# Allegro board BeagleBone_Green_v1.brd (continued)
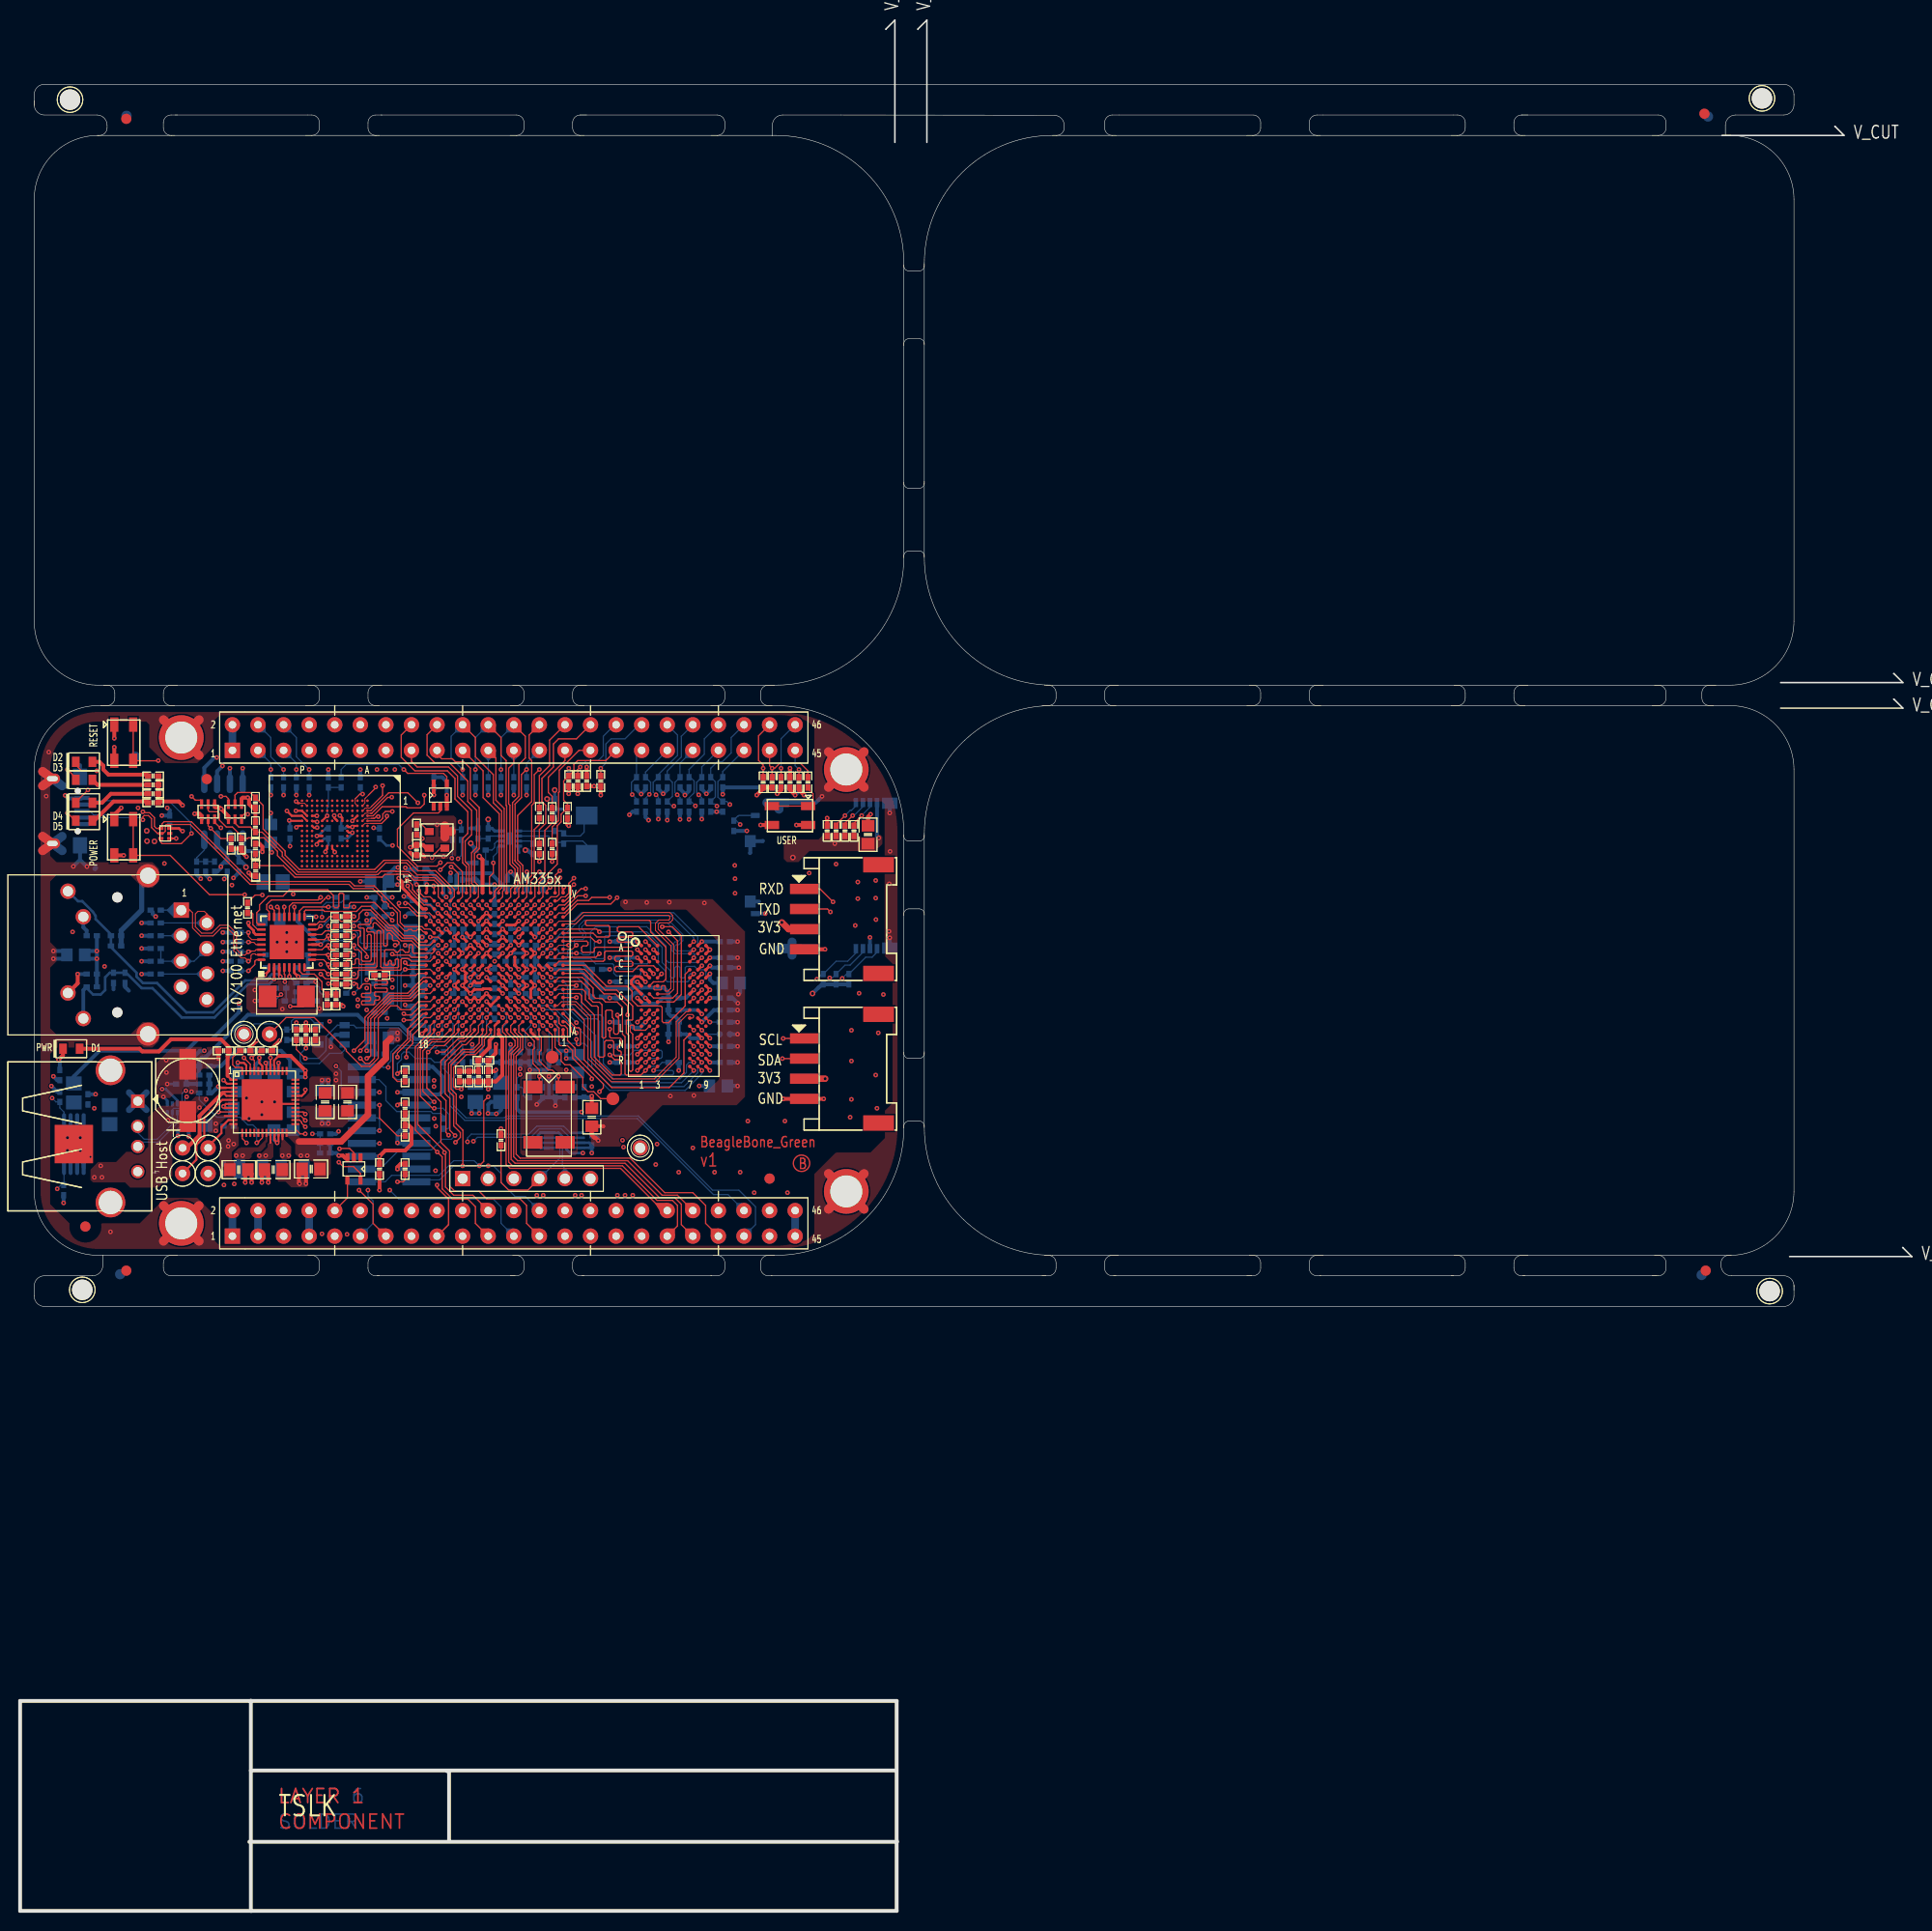
[diagram p0: board, top side]
## Placement (name value [footprint] x y rotation side) (continued)
U14  LAN8710A  [QFN32_5X5MM_EP3P3MM]  26.48 96.24 0 top
U15  SN74LVC2G241  [U_8_DCU]  53.98 76.56 90 bottom
U16  SN74LVC1G07DCK  [DCK5_2P15X1P4]  33.15 73.71 180 top
U17  SSDCI3128AF  [TDFN8_P5_2P0]  48.64 106.53 270 bottom
Y1  32.768KHz MC-306  [XTAL4_126-216SMD]  52.51 79.1 270 top
Y2  24MHz  [XTAL150SMD_125X196]  56.26 106.91 90 bottom
Y3  25.000MHz  [XTAL150SMD_125X196]  26.48 90.84 180 top
Y4  24.576MHZ  [OSC4_61X65LS_79X98SMD]  41.4 106.4 90 top

## Library data of the parts
C1 C2 C4 C7-C15 C39 C40 C55 C62 C77 C95 C96 C118 C122 C126 C133 C153 = CAP_10uF_Y5V_10V_10%_0805
C3 C20 C28-C31 C33 C35-C38 C41-C54 C56-C61 C63-C76 C78-C88 C92-C94 C97-C103 C105 C107-C117 C119-C121 C124 C127-C132 C135 C152 C154 C155 C158 C159 = CAP_0.1uF_X5R_6.3V_20% 0201
C16-C18 C125 = CAP_2.2uF_X5R_6.3V_10%_0402
C19 = CAP_470PF_X7R_25V_10%_0402
C21 C22 C25 C26 = CAP_18PF_COG_50V_5%_0402
C24 C89-C91 C104 C106 C134 = CAP_1.0UF_X5R_10V_10%_0402
C32 C123 = CAP_0.001_X7R_50V_5%_0402
C34 = CAP_100UF_TANT_6.3V_3528-21
C136 = 470pF/5%/50V/C0G/0603_0
C137-C140 C161-C166 = CAP_0402_100pF_COG_50V
C141 = CAP_0402_0.1uf_X5R_10V
C142 C143 = CAP_30PF_COG_50V_5%_0402
D1-D5 = LED_LTST-C150GKT_0
FB1-FB4 FB7 FB8 = FER_180_200_0
J1 = HEADER 6: User Part Number: ***
J4 J5 = HEADER 4
L1-L3 = IND_2.2uH_2.6A_10%_SMD
MTG1-MTG4 = MHOLE
P2 = HDR_10x2_CJTAG_0
P3 = CONN_54819-0578_2
P4 = MINI-USB-AB-SOCKET
P5 = CONN_RJ45_MAG_WE_0
P8 P9 = HDR_46_F_2_0.1_0.1
P10 = microSD_CONN_8: User Part Number: X; Tolerance: X
Q1 Q2 = RN1907
R1 R55-R70 R75-R95 R165 = RES_100K_1/16W_1%_0402
R3 R4 R119 R168 = RES_1.5K_1/16W_5%_0402
R5-R9 R23-R26 R50 R51 R112-R118 R159-R164 R169 R170 = RES_4.75K_1/16W_1%_0402
R10 R12 R71-R74 R130 R132 R171-R175 = RES_470_1/10W_5%_0402
R11 = RES_470_1/10W_5%_0402: signal model: 33OHMRESISTOR1_16W5_0402_SM_735_33
R14 = RES_10K_1/16W_1%_0402: signal model: 33OHMRESISTOR1_16W5_0402_SM_735_33
R17 = RES_1M_1/16W_1%_0402: signal model: 33OHMRESISTOR1_16W5_0402_SM_735_33
R18 R47 = RES_33_0402: signal model: 33OHMRESISTOR1_16W5_0402_SM_735_33
R19 R27 R29 R30 R140 R142 R156 = RES_0_1/16W_1%_0402
R20 = RES_0_1/16W_1%_0402: signal model: 33OHMRESISTOR1_16W5_0402_SM_735_33
R22 R120-R123 = RES_4.7K_0402
R28 R45 R46 R48 R167 = RES_33_0402
R49 = RES_100K_1/16W_1%_0402: signal model: 33OHMRESISTOR1_16W5_0402_SM_735_33
R52-R54 R96-R98 R100-R111 R135 R137 R143 R145 R150-R155 R157 = RES_10K_1/16W_1%_0402
R99 = Res
R124-R126 R129 R134 R138 = 100-1/10W-1%-0603_4
R127 R128 R131 R133 R139 = RES_100_1/10W_5%_0402
R136 = RES_0.1_0805
R141 = RES_1M_1/16W_1%_0402
R144 = RES_12.1K_1/16W_1%_0402
S1 S3 = SW_KT11P2JM_2
S2 = SW_KT11P2JM_1
TP1-TP9 = TESTPT1
U2 = PWR_TPS65217_2
U3 = IC_SN74LVC1G06DCK_0
U4 = PWR_TLV70233DBV_0: Tolerance: X; User Part Number: X
U5 = IC_AM335X_ZCZ
U7 = MEM_24LC32_SOT23-5
U8 = TPS2061_1: User Part Number: X; Tolerance: X
U9 U10 = PROT_TPD4S012
U12 = MT47H256M8_7
U13 = MEM_MNAND_2GB
U14 = LAN8710 QFN32_1
U15 = IC_SN74LVC2G241_1
U16 = IC_SN74LVC1G07DCK
U17 = SSDCI3128AF
Y1 = CRYS_32_768KHz_SMD32_1
Y2 = CRYS_24MHz_SCC_0
Y3 = Suntsu ITEMP 25MHz _0.005% 20pf
Y4 = OSC_12MHz_1.3V: Tolerance: TOL*; User Part Number: P/N*

## Footprints (pads in the part's own frame, mm; a bottom-side part is the same pattern mirrored in y, then rotated)
4P-SMD-2_0-90D
  rect 1.524x3.048 smd: (-5.4,7.4) (5.4,7.4)
  rect 1.016x2.794 smd: 1(-3,0) 2(-1,0) 3(1,0) 4(3,0)
5P-USB-B
  round 0.61 hole 0.61 unplated: (-2,-0.65) (2,-0.65)
  rect 0.406x1.524 smd: 1(-1.3,-0.25) 2(-0.65,-0.25) 3(0,-0.25) 4(0.65,-0.25) 5(1.3,-0.25)
  rect 1.626x1.397 smd: 6(3.4,-0.427) 7(-3.4,-0.427)
  oval 1.016x1.524 hole 0.508x1.067: 8(-3.22,-3.175) 9(3.22,-3.175)
402
  rect 0.635x0.508 smd: 1(-0.508,0) 2(0.508,0)
0402
  rect 0.635x0.508 smd: 1(-0.508,0) 2(0.508,0)
805
  rect 1.143x1.27 smd: 1(-0.889,0) 2(0.889,0)
2520
  rect 1.143x1.905 smd: 1(-1.143,0) 2(1.143,0)
AM33XX_15X15
  round 0.356 smd: A1(-6.8,6.8) A2(-6,6.8) A3(-5.2,6.8) A4(-4.4,6.8) A5(-3.6,6.8) A6(-2.8,6.8) A7(-2,6.8) A8(-1.2,6.8) A9(-0.4,6.8) A10(0.4,6.8) A11(1.2,6.8) A12(2,6.8) A13(2.8,6.8) A14(3.6,6.8) A15(4.4,6.8) A16(5.2,6.8) A17(6,6.8) A18(6.8,6.8) B1(-6.8,6) B2(-6,6) B3(-5.2,6) B4(-4.4,6) B5(-3.6,6) B6(-2.8,6) B7(-2,6) B8(-1.2,6) B9(-0.4,6) B10(0.4,6) B11(1.2,6) B12(2,6) B13(2.8,6) B14(3.6,6) B15(4.4,6) B16(5.2,6) B17(6,6) B18(6.8,6) C1(-6.8,5.2) C2(-6,5.2) C3(-5.2,5.2) C4(-4.4,5.2) C5(-3.6,5.2) C6(-2.8,5.2) C7(-2,5.2) C8(-1.2,5.2) C9(-0.4,5.2) C10(0.4,5.2) C11(1.2,5.2) C12(2,5.2) C13(2.8,5.2) C14(3.6,5.2) C15(4.4,5.2) C16(5.2,5.2) C17(6,5.2) C18(6.8,5.2) D1(-6.8,4.4) D2(-6,4.4) D3(-5.2,4.4) D4(-4.4,4.4) D5(-3.6,4.4) D6(-2.8,4.4) D7(-2,4.4) D8(-1.2,4.4) D9(-0.4,4.4) D10(0.4,4.4) D11(1.2,4.4) D12(2,4.4) D13(2.8,4.4) D14(3.6,4.4) D15(4.4,4.4) D16(5.2,4.4) D17(6,4.4) D18(6.8,4.4) E1(-6.8,3.6) E2(-6,3.6) E3(-5.2,3.6) E4(-4.4,3.6) E5(-3.6,3.6) E6(-2.8,3.6) E7(-2,3.6) E8(-1.2,3.6) E9(-0.4,3.6) E10(0.4,3.6) E11(1.2,3.6) E12(2,3.6) E13(2.8,3.6) E14(3.6,3.6) E15(4.4,3.6) E16(5.2,3.6) E17(6,3.6) E18(6.8,3.6) F1(-6.8,2.8) F2(-6,2.8) F3(-5.2,2.8) F4(-4.4,2.8) F5(-3.6,2.8) F6(-2.8,2.8) F7(-2,2.8) F8(-1.2,2.8) F9(-0.4,2.8) F10(0.4,2.8) F11(1.2,2.8) F12(2,2.8) F13(2.8,2.8) F14(3.6,2.8) F15(4.4,2.8) F16(5.2,2.8) F17(6,2.8) F18(6.8,2.8) G1(-6.8,2) G2(-6,2) G3(-5.2,2) G4(-4.4,2) G5(-3.6,2) G6(-2.8,2) G7(-2,2) G8(-1.2,2) G9(-0.4,2) G10(0.4,2) G11(1.2,2) G12(2,2) G13(2.8,2) G14(3.6,2) G15(4.4,2) G16(5.2,2) G17(6,2) G18(6.8,2) H1(-6.8,1.2) H2(-6,1.2) H3(-5.2,1.2) H4(-4.4,1.2) H5(-3.6,1.2) H6(-2.8,1.2) H7(-2,1.2) H8(-1.2,1.2) H9(-0.4,1.2) H10(0.4,1.2) H11(1.2,1.2) H12(2,1.2) H13(2.8,1.2) H14(3.6,1.2) H15(4.4,1.2) H16(5.2,1.2) H17(6,1.2) H18(6.8,1.2) J1(-6.8,0.4) J2(-6,0.4) J3(-5.2,0.4) J4(-4.4,0.4) J5(-3.6,0.4) J6(-2.8,0.4) J7(-2,0.4) J8(-1.2,0.4) J9(-0.4,0.4) J10(0.4,0.4) J11(1.2,0.4) J12(2,0.4) J13(2.8,0.4) J14(3.6,0.4) J15(4.4,0.4) J16(5.2,0.4) J17(6,0.4) J18(6.8,0.4) K1(-6.8,-0.4) K2(-6,-0.4) K3(-5.2,-0.4) K4(-4.4,-0.4) K5(-3.6,-0.4) K6(-2.8,-0.4) K7(-2,-0.4) K8(-1.2,-0.4) K9(-0.4,-0.4) K10(0.4,-0.4) K11(1.2,-0.4) K12(2,-0.4) K13(2.8,-0.4) K14(3.6,-0.4) K15(4.4,-0.4) K16(5.2,-0.4) K17(6,-0.4) K18(6.8,-0.4) L1(-6.8,-1.2) L2(-6,-1.2) L3(-5.2,-1.2) L4(-4.4,-1.2) L5(-3.6,-1.2) L6(-2.8,-1.2) L7(-2,-1.2) L8(-1.2,-1.2) L9(-0.4,-1.2) L10(0.4,-1.2) L11(1.2,-1.2) L12(2,-1.2) L13(2.8,-1.2) L14(3.6,-1.2) L15(4.4,-1.2) L16(5.2,-1.2) L17(6,-1.2) L18(6.8,-1.2) M1(-6.8,-2) M2(-6,-2) M3(-5.2,-2) M4(-4.4,-2) M5(-3.6,-2) M6(-2.8,-2) M7(-2,-2) M8(-1.2,-2) M9(-0.4,-2) M10(0.4,-2) M11(1.2,-2) M12(2,-2) M13(2.8,-2) M14(3.6,-2) M15(4.4,-2) M16(5.2,-2) M17(6,-2) M18(6.8,-2) N1(-6.8,-2.8) N2(-6,-2.8) N3(-5.2,-2.8) N4(-4.4,-2.8) N5(-3.6,-2.8) N6(-2.8,-2.8) N7(-2,-2.8) N8(-1.2,-2.8) N9(-0.4,-2.8) N10(0.4,-2.8) N11(1.2,-2.8) N12(2,-2.8) N13(2.8,-2.8) N14(3.6,-2.8) N15(4.4,-2.8) N16(5.2,-2.8) N17(6,-2.8) N18(6.8,-2.8) P1(-6.8,-3.6) P2(-6,-3.6) P3(-5.2,-3.6) P4(-4.4,-3.6) P5(-3.6,-3.6) P6(-2.8,-3.6) P7(-2,-3.6) P8(-1.2,-3.6) P9(-0.4,-3.6) P10(0.4,-3.6) P11(1.2,-3.6) P12(2,-3.6) P13(2.8,-3.6) P14(3.6,-3.6) P15(4.4,-3.6) P16(5.2,-3.6) P17(6,-3.6) P18(6.8,-3.6) R1(-6.8,-4.4) R2(-6,-4.4) R3(-5.2,-4.4) R4(-4.4,-4.4) R5(-3.6,-4.4) R6(-2.8,-4.4) R7(-2,-4.4) R8(-1.2,-4.4) R9(-0.4,-4.4) R10(0.4,-4.4) R11(1.2,-4.4) R12(2,-4.4) R13(2.8,-4.4) R14(3.6,-4.4) R15(4.4,-4.4) R16(5.2,-4.4) R17(6,-4.4) R18(6.8,-4.4) T1(-6.8,-5.2) T2(-6,-5.2) T3(-5.2,-5.2) T4(-4.4,-5.2) T5(-3.6,-5.2) T6(-2.8,-5.2) T7(-2,-5.2) T8(-1.2,-5.2) T9(-0.4,-5.2) T10(0.4,-5.2) T11(1.2,-5.2) T12(2,-5.2) T13(2.8,-5.2) T14(3.6,-5.2) T15(4.4,-5.2) T16(5.2,-5.2) T17(6,-5.2) T18(6.8,-5.2) U1(-6.8,-6) U2(-6,-6) U3(-5.2,-6) U4(-4.4,-6) U5(-3.6,-6) U6(-2.8,-6) U7(-2,-6) U8(-1.2,-6) U9(-0.4,-6) U10(0.4,-6) U11(1.2,-6) U12(2,-6) U13(2.8,-6) U14(3.6,-6) U15(4.4,-6) U16(5.2,-6) U17(6,-6) U18(6.8,-6) V1(-6.8,-6.8) V2(-6,-6.8) V3(-5.2,-6.8) V4(-4.4,-6.8) V5(-3.6,-6.8) V6(-2.8,-6.8) V7(-2,-6.8) V8(-1.2,-6.8) V9(-0.4,-6.8) V10(0.4,-6.8) V11(1.2,-6.8) V12(2,-6.8) V13(2.8,-6.8) V14(3.6,-6.8) V15(4.4,-6.8) V16(5.2,-6.8) V17(6,-6.8) V18(6.8,-6.8)
BGA96_T9_P8_9X14
  round 0.356 smd: A1(-3.2,6.001) A2(-2.4,6.001) A3(-1.6,6.001) A7(1.6,6.001) A8(2.4,6.001) A9(3.2,6.001) B1(-3.2,5.201) B2(-2.4,5.201) B3(-1.6,5.201) B7(1.6,5.201) B8(2.4,5.201) B9(3.2,5.201) C1(-3.2,4.401) C2(-2.4,4.401) C3(-1.6,4.401) C7(1.6,4.401) C8(2.4,4.401) C9(3.2,4.401) D1(-3.2,3.6) D2(-2.4,3.6) D3(-1.6,3.6) D7(1.6,3.6) D8(2.4,3.6) D9(3.2,3.6) E1(-3.2,2.8) E2(-2.4,2.8) E3(-1.6,2.8) E7(1.6,2.8) E8(2.4,2.8) E9(3.2,2.8) F1(-3.2,2) F2(-2.4,2) F3(-1.6,2) F7(1.6,2) F8(2.4,2) F9(3.2,2) G1(-3.2,1.2) G2(-2.4,1.2) G3(-1.6,1.2) G7(1.6,1.2) G8(2.4,1.2) G9(3.2,1.2) H1(-3.2,0.4) H2(-2.4,0.4) H3(-1.6,0.4) H7(1.6,0.4) H8(2.4,0.4) H9(3.2,0.4) J1(-3.2,-0.4) J2(-2.4,-0.4) J3(-1.6,-0.4) J7(1.6,-0.4) J8(2.4,-0.4) J9(3.2,-0.4) K1(-3.2,-1.2) K2(-2.4,-1.2) K3(-1.6,-1.2) K7(1.6,-1.2) K8(2.4,-1.2) K9(3.2,-1.2) L1(-3.2,-2) L2(-2.4,-2) L3(-1.6,-2) L7(1.6,-2) L8(2.4,-2) L9(3.2,-2) M1(-3.2,-2.8) M2(-2.4,-2.8) M3(-1.6,-2.8) M7(1.6,-2.8) M8(2.4,-2.8) M9(3.2,-2.8) N1(-3.2,-3.6) N2(-2.4,-3.6) N3(-1.6,-3.6) N7(1.6,-3.6) N8(2.4,-3.6) N9(3.2,-3.6) P1(-3.2,-4.401) P2(-2.4,-4.401) P3(-1.6,-4.401) P7(1.6,-4.401) P8(2.4,-4.401) P9(3.2,-4.401) R1(-3.2,-5.201) R2(-2.4,-5.201) R3(-1.6,-5.201) R7(1.6,-5.201) R8(2.4,-5.201) R9(3.2,-5.201) T1(-3.2,-6.001) T2(-2.4,-6.001) T3(-1.6,-6.001) T7(1.6,-6.001) T8(2.4,-6.001) T9(3.2,-6.001)
BGA153_P14_P5_11P5X13
  round 0.254 smd: A1(-3.25,3.25) A2(-2.75,3.25) A3(-2.25,3.25) A4(-1.75,3.25) A5(-1.25,3.25) A6(-0.75,3.25) A7(-0.25,3.25) A8(0.25,3.25) A9(0.75,3.25) A10(1.25,3.25) A11(1.75,3.25) A12(2.25,3.25) A13(2.75,3.25) A14(3.25,3.25) B1(-3.25,2.75) B2(-2.75,2.75) B3(-2.25,2.75) B4(-1.75,2.75) B5(-1.25,2.75) B6(-0.75,2.75) B7(-0.25,2.75) B8(0.25,2.75) B9(0.75,2.75) B10(1.25,2.75) B11(1.75,2.75) B12(2.25,2.75) B13(2.75,2.75) B14(3.25,2.75) C1(-3.25,2.25) C2(-2.75,2.25) C3(-2.25,2.25) C4(-1.75,2.25) C5(-1.25,2.25) C6(-0.75,2.25) C7(-0.25,2.25) C8(0.25,2.25) C9(0.75,2.25) C10(1.25,2.25) C11(1.75,2.25) C12(2.25,2.25) C13(2.75,2.25) C14(3.25,2.25) D1(-3.25,1.75) D2(-2.75,1.75) D3(-2.25,1.75) D4(-1.75,1.75) D12(2.25,1.75) D13(2.75,1.75) D14(3.25,1.75) E1(-3.25,1.25) E2(-2.75,1.25) E3(-2.25,1.25) E5(-1.25,1.25) E6(-0.75,1.25) E7(-0.25,1.25) E8(0.25,1.25) E9(0.75,1.25) E10(1.25,1.25) E12(2.25,1.25) E13(2.75,1.25) E14(3.25,1.25) F1(-3.25,0.75) F2(-2.75,0.75) F3(-2.25,0.75) F5(-1.25,0.75) F10(1.25,0.75) F12(2.25,0.75) F13(2.75,0.75) F14(3.25,0.75) G1(-3.25,0.25) G2(-2.75,0.25) G3(-2.25,0.25) G5(-1.25,0.25) G10(1.25,0.25) G12(2.25,0.25) G13(2.75,0.25) G14(3.25,0.25) H1(-3.25,-0.25) H2(-2.75,-0.25) H3(-2.25,-0.25) H5(-1.25,-0.25) H10(1.25,-0.25) H12(2.25,-0.25) H13(2.75,-0.25) H14(3.25,-0.25) J1(-3.25,-0.75) J2(-2.75,-0.75) J3(-2.25,-0.75) J5(-1.25,-0.75) J10(1.25,-0.75) J12(2.25,-0.75) J13(2.75,-0.75) J14(3.25,-0.75) K1(-3.25,-1.25) K2(-2.75,-1.25) K3(-2.25,-1.25) K5(-1.25,-1.25) K6(-0.75,-1.25) K7(-0.25,-1.25) K8(0.25,-1.25) K9(0.75,-1.25) K10(1.25,-1.25) K12(2.25,-1.25) K13(2.75,-1.25) K14(3.25,-1.25) L1(-3.25,-1.75) L2(-2.75,-1.75) L3(-2.25,-1.75) L12(2.25,-1.75) L13(2.75,-1.75) L14(3.25,-1.75) M1(-3.25,-2.25) M2(-2.75,-2.25) M3(-2.25,-2.25) M4(-1.75,-2.25) M5(-1.25,-2.25) M6(-0.75,-2.25) M7(-0.25,-2.25) M8(0.25,-2.25) M9(0.75,-2.25) M10(1.25,-2.25) M11(1.75,-2.25) M12(2.25,-2.25) M13(2.75,-2.25) M14(3.25,-2.25) N1(-3.25,-2.75) N2(-2.75,-2.75) N3(-2.25,-2.75) N4(-1.75,-2.75) N5(-1.25,-2.75) N6(-0.75,-2.75) N7(-0.25,-2.75) N8(0.25,-2.75) N9(0.75,-2.75) N10(1.25,-2.75) N11(1.75,-2.75) N12(2.25,-2.75) N13(2.75,-2.75) N14(3.25,-2.75) P1(-3.25,-3.25) P2(-2.75,-3.25) P3(-2.25,-3.25) P4(-1.75,-3.25) P5(-1.25,-3.25) P6(-0.75,-3.25) P7(-0.25,-3.25) P8(0.25,-3.25) P9(0.75,-3.25) P10(1.25,-3.25) P11(1.75,-3.25) P12(2.25,-3.25) P13(2.75,-3.25) P14(3.25,-3.25)
DCK5_2P15X1P4
  rect 0.4x0.9 smd: 1(-0.65,-1.1) 2(0,-1.1) 3(0.65,-1.1) 4(0.65,1.1) 5(-0.65,1.1)
DGN-16X60
  oval 0.406x1.524 smd: 1(-0.975,-2.311) 2(-0.325,-2.311) 3(0.325,-2.311) 4(0.975,-2.311) 5(0.975,2.311) 6(0.325,2.311) 7(-0.325,2.311) 8(-0.975,2.311)
  rect 2.032x2.032 smd: 9(0,0)
HEADER10X2_SMD
  rect 0.711x2.794 smd: 1(-5.715,-2.705) 2(-5.715,2.705) 3(-4.445,-2.705) 4(-4.445,2.705) 5(-3.175,-2.705) 6(-3.175,2.705) 7(-1.905,-2.705) 8(-1.905,2.705) 9(-0.635,-2.705) 10(-0.635,2.705) 11(0.635,-2.705) 12(0.635,2.705) 13(1.905,-2.705) 14(1.905,2.705) 15(3.175,-2.705) 16(3.175,2.705) 17(4.445,-2.705) 18(4.445,2.705) 19(5.715,-2.705) 20(5.715,2.705)
HEADER23X2
  rect 1.524x1.524 hole 0.762: 1(0,0)
  round 1.524 hole 0.762: 2(0,2.54) 3(2.54,0) 4(2.54,2.54) 5(5.08,0) 6(5.08,2.54) 7(7.62,0) 8(7.62,2.54) 9(10.16,0) 10(10.16,2.54) 11(12.7,0) 12(12.7,2.54) 13(15.24,0) 14(15.24,2.54) 15(17.78,0) 16(17.78,2.54) 17(20.32,0) 18(20.32,2.54) 19(22.86,0) 20(22.86,2.54) 21(25.4,0) 22(25.4,2.54) 23(27.94,0) 24(27.94,2.54) 25(30.48,0) 26(30.48,2.54) 27(33.02,0) 28(33.02,2.54) 29(35.56,0) 30(35.56,2.54) 31(38.1,0) 32(38.1,2.54) 33(40.64,0) 34(40.64,2.54) 35(43.18,0) 36(43.18,2.54) 37(45.72,0) 38(45.72,2.54) 39(48.26,0) 40(48.26,2.54) 41(50.8,0) 42(50.8,2.54) 43(53.34,0) 44(53.34,2.54) 45(55.88,0) 46(55.88,2.54)
LED_0603
  rect 0.762x1.016 smd: 1(-0.826,0) 2(0.826,0)
MTGH200C125D_PL
  round 4.445 hole 3.175: 1(0,0)
OSC4_61X65LS_79X98SMD
  rect 0.711x0.889 smd: 1(-0.826,-0.775) 2(0.826,-0.775) 3(0.826,0.775) 4(-0.826,0.775)
QFN32_5X5MM_EP3P3MM
  oval 0.254x0.838 smd: 1(-1.751,-2.515) 8(1.751,-2.515) 17(1.751,2.515) 24(-1.751,2.515)
  rect 0.254x0.838 smd: 2(-1.251,-2.515) 3(-0.751,-2.515) 4(-0.25,-2.515) 5(0.25,-2.515) 6(0.751,-2.515) 7(1.251,-2.515) 18(1.251,2.515) 19(0.751,2.515) 20(0.25,2.515) 21(-0.25,2.515) 22(-0.751,2.515) 23(-1.251,2.515)
  oval 0.838x0.254 smd: 9(2.515,-1.751) 16(2.515,1.751) 25(-2.515,1.751) 32(-2.515,-1.751)
  rect 0.838x0.254 smd: 10(2.515,-1.251) 11(2.515,-0.751) 12(2.515,-0.25) 13(2.515,0.25) 14(2.515,0.751) 15(2.515,1.251) 26(-2.515,1.251) 27(-2.515,0.751) 28(-2.515,0.25) 29(-2.515,-0.25) 30(-2.515,-0.751) 31(-2.515,-1.251)
  rect 3.404x3.404 smd: 33(0,0)
RD205SMD_250D
  rect 3.048x1.651 smd: 1(-2.603,0) 2(2.603,0)
RJ45-7499010211A
  round 1.016 hole 3.251 unplated: (-1.27,-6.35) (10.16,-6.35)
  rect 1.524x1.524 hole 1.016: 1(0,0)
  round 1.524 hole 1.016: 2(1.27,2.54) 3(2.54,0) 4(3.81,2.54) 5(5.08,0) 6(6.35,2.54) 7(7.62,0) 8(8.89,2.54) 9(-1.88,-11.252) 10(0.66,-9.728) 11(8.23,-11.252) 12(10.77,-9.728)
  round 2.286 hole 1.6: 13(-3.429,-3.302) 14(12.319,-3.302)
SD-MICRO-SCHA5B0300
  rect 0.914x0.457 smd: 1(-7.257,0) 2(-7.257,-0.7) 3(-7.257,-1.4) 4(-7.257,-2.1) 5(7.257,-2.1) 6(7.257,-1.4) 7(7.257,-0.7) 8(7.257,0)
  rect 0.508x0.889 smd: 9(3.775,9.989) 10(-5.975,9.989)
  rect 0.889x2.007 smd: 11(-7.25,7.635) 12(7.25,6.335)
  rect 1.118x1.524 smd: 13(-7.196,-3.365) 14(7.196,-3.365)
  rect 1.194x1.092 smd: 15(-3.425,10.488) 16(2.575,10.488)
SIP6
  rect 1.524x1.524 hole 1.016: 1(0,0)
  round 1.524 hole 1.016: 2(0,-2.54) 3(0,-5.08) 4(0,-7.62) 5(0,-10.16) 6(0,-12.7)
SM-7351-IND-0805
  rect 1.397x1.549 smd: 1(-0.95,0) 2(0.95,0)
SM-7351-RES-0402
  round 0.635 smd: 1(-0.508,0) 2(0.508,0)
SMINI6-F3-B
  rect 0.305x0.95 smd: 1(0.65,0.75) 2(0,0.75) 3(-0.65,0.75) 4(-0.65,-0.75) 5(0,-0.75) 6(0.65,-0.75)
SO8-25X75
  oval 0.635x1.905 smd: 1(-1.905,-2.794) 2(-0.635,-2.794) 3(0.635,-2.794) 4(1.905,-2.794) 5(1.905,2.794) 6(0.635,2.794) 7(-0.635,2.794) 8(-1.905,2.794)
SOT23-5
  rect 0.635x1.016 smd: 1(-0.953,-1.295) 2(0,-1.295) 3(0.953,-1.295) 4(0.953,1.295) 5(-0.953,1.295)
SW_4P
  rect 1.422x0.813 smd: 1(-1.8,-0.94) 2(-1.8,0.94) 3(1.8,-0.94) 4(1.8,0.94)
TDFN8_P5_2P0
  rect 1.219x0.61 smd: (0,0)
  rect 0.305x0.711 smd: 1(-0.75,-0.85) 2(-0.25,-0.85) 3(0.25,-0.85) 4(0.75,-0.85) 5(0.75,0.85) 6(0.25,0.85) 7(-0.25,0.85) 8(-0.75,0.85)
TP1-8040
  round 1.524 hole 1.016: 1(0,0)
TP60C33D
  round 1.524 hole 0.762: 1(0,0)
TP60C_SMD
  round 1.27 smd: 1(0,0)
U_6_DRY
  rect 0.305x0.508 smd: 1(-0.5,-0.439) 2(0,-0.439) 3(0.5,-0.439) 4(0.5,0.439) 5(0,0.439) 6(-0.5,0.439)
U_8_DCU
  rect 0.254x1.27 smd: 1(-0.749,-1.473) 2(-0.249,-1.473) 3(0.249,-1.473) 4(0.749,-1.473) 5(0.749,1.473) 6(0.249,1.473) 7(-0.249,1.473) 8(-0.749,1.473)
U_48_RSL
  rect 0.8x0.2 smd: 1(-3.075,2.2) 2(-3.075,1.8) 3(-3.075,1.4) 4(-3.075,1) 5(-3.075,0.6) 6(-3.075,0.2) 7(-3.075,-0.2) 8(-3.075,-0.6) 9(-3.075,-1) 10(-3.075,-1.4) 11(-3.075,-1.8) 12(-3.075,-2.2) 25(3.075,-2.2) 26(3.075,-1.8) 27(3.075,-1.4) 28(3.075,-1) 29(3.075,-0.6) 30(3.075,-0.2) 31(3.075,0.2) 32(3.075,0.6) 33(3.075,1) 34(3.075,1.4) 35(3.075,1.8) 36(3.075,2.2)
  rect 0.2x0.8 smd: 13(-2.2,-3.075) 14(-1.8,-3.075) 15(-1.4,-3.075) 16(-1,-3.075) 17(-0.6,-3.075) 18(-0.2,-3.075) 19(0.2,-3.075) 20(0.6,-3.075) 21(1,-3.075) 22(1.4,-3.075) 23(1.8,-3.075) 24(2.2,-3.075) 37(2.2,3.075) 38(1.8,3.075) 39(1.4,3.075) 40(1,3.075) 41(0.6,3.075) 42(0.2,3.075) 43(-0.2,3.075) 44(-0.6,3.075) 45(-1,3.075) 46(-1.4,3.075) 47(-1.8,3.075) 48(-2.2,3.075)
  rect 4.05x4.05 smd: 49(-0.225,0.225)
unnamed
  round 2.032 hole 2.032 unplated: (0,0)
unnamed#3
  round 1.016 smd: 1(0,0)
USB-003A-4P-90D
  rect 1.321x1.321 hole 0.914: 1(-3.5,2.71)
  round 1.321 hole 0.914: 2(-1,2.71) 3(1,2.71) 4(3.5,2.71)
  round 2.946 hole 2.337: 5(-6.57,0) 6(6.57,0)
XTAL4_126-216SMD
  rect 1.27x1.905 smd: 1(-2.748,-1.6) 2(2.751,-1.6) 3(2.751,1.6) 4(-2.748,1.6)
XTAL150SMD_125X196
  rect 1.778x2.159 smd: 1(-1.9,0) 2(1.9,0)

## Nets
DGND: C1.1 C2.1 C3.1 C4.1 C7.1 C8.1 C9.1 C10.1 C11.1 C12.1 C13.1 C14.1 C15.1 C16.2 C17.2 C18.2 C19.2 C20.2 C24.2 C28.2 C29.2 C30.2 C34.2 C35.2 C36.2 C37.2 C38.2 C39.1 C40.1 C41.2 C42.2 C43.2 C44.2 C45.2 C46.2 C47.2 C48.2 C49.2 C50.2 C51.2 C52.2 C53.2 C54.2 C55.1 C56.1 C57.1 C58.2 C59.2 C60.1 C61.1 C62.1 C63.2 C64.2 C65.2 C66.2 C67.2 C68.1 C69.1 C70.1 C71.1 C72.1 C73.1 C74.1 C75.1 C76.1 C77.2 C78.2 C79.2 C80.2 C81.2 C82.2 C83.2 C84.2 C85.2 C86.2 C87.2 C88.2 C89.2 C90.2 C91.2 C92.2 C94.2 C95.1 C96.1 C97.2 C98.2 C99.2 C100.2 C101.2 C102.2 C103.2 C104.2 C105.2 C106.2 C107.2 C108.2 C109.2 C110.2 C111.2 C112.2 C113.2 C114.2 C115.2 C116.2 C117.2 C118.1 C119.2 C120.2 C121.2 C122.1 C123.2 C124.2 C125.2 C126.1 C127.2 C128.2 C129.2 C130.2 C131.2 C132.2 C133.1 C134.2 C135.2 C136.2 C137.2 C138.2 C139.2 C140.2 C141.2 C142.2 C143.2 C152.2 C153.2 C154.2 C155.1 C158.2 C159.2 C161.2 C162.1 FB3.2 J1.1 J4.4 J5.4 P2.4(TDIS) P2.8(GND1) P2.10(GND2) P2.12(GND3) P2.16(GND4) P2.20(GND5) P3.4(P4) P4.5(G1) P5.8(GND) P8.1 P8.2(26) P9.1 P9.2(26) P9.43(22) P9.44(47) P9.45(23) P9.46(48) P10.6(VSS) P10.9(GND) Q1.1(4) Q1.4 Q2.1(4) Q2.4 R10.2 R12.1 R22.1 R25.2 R29.1 R30.1 R49.1 R53.2 R54.1 R76.2 R77.2 R78.2 R79.2 R80.2 R81.2 R82.2 R83.2 R84.2 R85.2 R86.2 R87.2 R88.2 R89.2 R90.2 R91.2 R92.2 R93.2 R94.2 R95.2 R96.1 R99.1 R100.2 R115.2 R116.2 R117.2 R118.2 R130.1 R132.1 R135.2 R136.1 R144.2 R145.2 R164.2 R165.2 R170.2 S1.1(A1) S1.3(A2) S2.2(B1) S2.4(B2) S3.1(A1) S3.3(A2) TP1.1(TP) TP8.1(TP) U2.30(PGND) U2.41(AGND) U2.49(PPAD) U3.3(GND) U4.5(GND1) U4.6(GND3) U4.7(GND2) U4.8(GND4) U5.A1(VSS1) U5.A18(VSS2) U5.F8(VSS3) U5.G8(VSS4) U5.G9(VSS5) U5.G11(VSS6) U5.G12(VSS7) U5.H6(VSS8) U5.H7(VSS9) U5.H8(VSS10) U5.H9(VSS11) U5.H10(VSS12) U5.H12(VSS13) U5.J6(VSS14) U5.J7(VSS15) U5.J8(VSS16) U5.J9(VSS17) U5.J10(VSS18) U5.J11(VSS19) U5.K7(VSS20) U5.K9(VSS21) U5.K10(VSS22) U5.K11(VSS23) U5.L10(VSS24) U5.L11(VSS25) U5.L12(VSS26) U5.L13(VSS27) U5.M6(VSS28) U5.M7(VSS29) U5.M8(VSS30) U5.M9(VSS31) U5.M10(VSS32) U5.M12(VSS33) U5.M14(VSSA_USB2) U5.N7(VSS34) U5.N10(VSS35) U5.N11(VSS36) U5.N14(VSSA_USB1) U5.V1(VSS37) U5.V18(VSS38) U7.2(VSS) U8.1(GND) U8.9(PAD) U9.4(GND) U10.4(GND) U12.A9(VSS1) U12.B1(VSSQ1) U12.B3(VSS2) U12.B9(VSSQ2) U12.D1(VSSQ3) U12.D8(VSSQ4) U12.E1(VSS3) U12.E2(VSSQ5) U12.E8(VSSQ6) U12.F9(VSSQ7) U12.G1(VSSQ8) U12.G8(VSS4) U12.G9(VSSQ9) U12.J2(VSS5) U12.J8(VSS6) U12.M1(VSS7) U12.M9(VSS8) U12.P1(VSS9) U12.P9(VSS10) U12.T1(VSS11) U12.T9(VSS12) U13.C4(VSSQ4) U13.E7(VSS2) U13.G5(VSS1) U13.H10(VSS3) U13.K8(VSS4) U13.N2(VSSQ1) U13.N5(VSS5) U13.P4(VSSQ3) U13.P6(VSSQ2) U14.33(GND_EP) U15.1(1\O\E\) U15.4(GND) U16.3(GND) Y4.2(GND)
GND_EARTH: C163.2 C164.2 C165.2 C166.2 MTG1.1(TP) MTG2.1(TP) MTG3.1(TP) MTG4.1(TP) P3.5(SHELD1) P3.6(PAD4) P4.6(G3) P4.7(G2) P4.8(G5) P4.9(G4) P5.13(SHD1) P5.14(SHD2) P10.11(GND3) P10.12(GND4) P10.13(GND5) P10.14(GND6) P10.15(GND7) P10.16(GND8) R136.2
GND_OSC0: C25.2 C26.2 R29.2 R173.2 R174.2 U5.V11(VSS_OSC0) U17.4(GND)
GND_OSC1: C21.1 C22.1 R30.2 U5.A5(VSS_RTC)
GNDA_ADC: C31.2 C32.2 C33.2 C93.2 FB3.1 P9.34(42) U5.A9(VREFN) U5.E8(VSSA_ADC)
VBUS: FB7.2 P3.1(P1)
VDD_1V8: C14.2 C78.1 C86.1 C88.1 FB1.1 FB2.2 R9.2 U2.40(LDO3) U5.D10(VDDS_SRAM_MPU_BB) U5.E9(VDDS_SRAM_CORE_BG) U5.N16(VDDA1P8V_USB0) U5.R16(VDDA1P8V_USB1)
VDD_3V3A: C15.2 C37.1 C38.1 C56.2 C57.2 C58.1 C59.1 C60.2 C61.2 C66.1 C67.1 C68.2 C69.2 C70.2 C71.2 C72.2 C73.2 C74.2 C75.2 C76.2 C77.1 C87.1 C152.1 C158.1 C159.1 R1.1 R3.1 R4.1 R14.1 R52.1 R55.1 R56.1 R57.1 R58.1 R59.1 R60.1 R61.1 R62.1 R63.1 R64.1 R65.1 R66.1 R67.1 R68.1 R69.1 R70.1 R156.1 R169.2 R171.1 R172.1 R175.1 U2.43(LDO4) U3.5(VCC) U4.1(EN) U5.E10(VDDSHV61) U5.E11(VDDSHV62) U5.E12(VDDSHV63) U5.E13(VDDSHV64) U5.F14(VDDSHV65) U5.G14(VDDSHV66) U5.H14(VDDSHV41) U5.J14(VDDSHV42) U5.K14(VDDSHV51) U5.L14(VDDSHV52) U5.N5(VDDSHV67) U5.N15(VDDA3P3V_USB0) U5.P5(VDDSHV68) U5.P6(VDDSHV69) U5.P7(VDDSHV11) U5.P8(VDDSHV12) U5.P10(VDDSHV21) U5.P11(VDDSHV22) U5.P12(VDDSHV31) U5.P13(VDDSHV32) U5.R15(VDDA3P3V_USB1) U7.4(VCC) U17.8(VDD) Y4.4(VCC)
VDD_3V3AUX: C18.1 D1.2(A) U2.1(VLDO2)
VDD_3V3B: C20.1 C29.1 C126.2 C127.1 C128.1 C129.1 C130.1 C135.1 C153.1 C154.1 C155.2 FB4.1 J4.3 J5.3 P2.5(TVDD) P9.3(2) P9.4(27) P10.4(VDD) R11.1 R23.1 R24.1 R101.1 R102.1 R103.1 R104.1 R105.1 R106.1 R107.1 R108.1 R109.1 R110.1 R111.1 R112.2 R113.2 R114.2 R119.1 R150.1 R151.1 R152.1 R153.1 R154.1 R155.1 R157.2 R163.1 U4.3(OUT) U13.C6(VCCQ4) U13.E6(VCC3) U13.F5(VCC2) U13.J10(VCC0) U13.K9(VCC1) U13.M4(VCCQ5) U13.N4(VCCQ3) U13.P3(VCCQ1) U13.P5(VCCQ2) U14.12(VDDIO) U15.7(2OE) U15.8(VCC)
VDD_5V: C2.2 P9.5(3) P9.6(28) R168.2 U2.10(AC)
VDD_ADC: C93.1 FB2.1 P9.32(41) R27.1 U5.D8(VDDA_ADC)
VDD_CORE: C11.2 C39.2 C40.2 C41.1 C42.1 C43.1 C44.1 C45.1 C46.1 C47.1 C48.1 C49.1 C50.1 C51.1 C52.1 C53.1 C54.1 C55.2 L3.2 U2.29(VDCDC3) U5.F6(VDD_CORE1) U5.F7(VDD_CORE2) U5.G6(VDD_CORE3) U5.G7(VDD_CORE4) U5.G10(VDD_CORE5) U5.H11(VDD_CORE6) U5.J12(VDD_CORE7) U5.K6(VDD_CORE8) U5.K8(VDD_CORE9) U5.K12(VDD_CORE10) U5.L6(VDD_CORE11) U5.L7(VDD_CORE12) U5.L8(VDD_CORE13) U5.L9(VDD_CORE14) U5.M11(VDD_CORE15) U5.M13(VDD_CORE16) U5.N8(VDD_CORE17) U5.N9(VDD_CORE18) U5.N12(VDD_CORE19) U5.N13(VDD_CORE20)
VDD_MPU: C12.2 C62.2 C63.1 C64.1 C65.1 L2.2 U2.24(VDCDC2) U5.F10(VDD_MPU1) U5.F11(VDD_MPU2) U5.F12(VDD_MPU3) U5.F13(VDD_MPU4) U5.G13(VDD_MPU5) U5.H13(VDD_MPU6) U5.J13(VDD_MPU7)
VDD_MPUON: TP2.1(TP) U5.A2(VDD_MPU_MON)
VDD_PHYA: C131.1 C132.1 C133.2 FB4.2 R120.2 R121.2 R122.2 R123.2 R137.2 U14.1(VDD2A) U14.27(VDD1A)
VDD_PLL: C79.1 C92.1 C94.1 C106.1 FB1.2 U5.E7(VDDS_PLL_DDR) U5.H15(VDDS_PLL_MPU) U5.R10(VDDS_PLL_CORE_LCD) U5.R11(VDDS_OSC)
VDD_RTC: C104.1 U5.D6(CAP_VDD_RTC)
VDDS: C80.1 C81.1 C82.1 C83.1 C84.1 C85.1 R8.2 R9.1 U5.E6(VDDS1) U5.E14(VDDS2) U5.F9(VDDS3) U5.K13(VDDS4) U5.N6(VDDS5) U5.P9(VDDS6) U5.P14(VDDS7)
VDDS_DDR: C9.2 C95.2 C96.2 C97.1 C98.1 C99.1 C100.1 C101.1 C102.1 C103.1 C107.1 C108.1 C109.1 C110.1 C111.1 C112.1 C113.1 C114.1 C115.1 C116.1 C117.1 C118.2 C119.1 C120.1 C121.1 C122.2 R6.2 R97.1 R98.1 U5.E5(VDDS_DDR1) U5.F5(VDDS_DDR2) U5.G5(VDDS_DDR3) U5.H5(VDDS_DDR4) U5.J5(VDDS_DDR5) U5.K5(VDDS_DDR6) U5.L5(VDDS_DDR7) U12.A1(VDDQ1) U12.A8(VDDQ2) U12.B2(VDD1) U12.C1(VDDQ3) U12.C9(VDDQ4) U12.D2(VDDQ5) U12.D9(VDD9) U12.E9(VDDQ7) U12.F1(VDDQ8) U12.G7(VDD2) U12.H2(VDDQ9) U12.H9(VDDQ10) U12.K2(VDD4) U12.K8(VDD5) U12.N1(VDD6) U12.N9(VDD7) U12.R1(VDD8) U12.R9(VDD3)
AIN0: P9.39(20) U5.B6(AIN0)
AIN1: P9.40(45) U5.C7(AIN1)
AIN2: P9.37(19) U5.B7(AIN2)
AIN3: P9.38(44) U5.A7(AIN3)
AIN4: P9.33(17) U5.C8(AIN4)
AIN5: P9.36(43) U5.B8(AIN5)
AIN6: P9.35(18) U5.A8(AIN6)
AIN7: R163.2 R164.1 U5.C9(AIN7)
B_UART0_RX: J1.4 R165.1 U15.2(1A)
B_UART0_TX: J1.5 U15.3(2Y)
CAP_VBB_MPU: C91.1 U5.C10(CAP_VBB_MPU)
CAP_VDD_SRAM_CORE: C89.1 U5.D9(CAP_VDD_SRAM_CORE)
CAP_VDD_SRAM_MPU: C90.1 U5.D11(CAP_VDD_SRAM_MPU)
CLKOUT2: P2.18(EMU3) P9.41(21) R19.2 R20.1
CLKOUT_SRC: R19.1 U5.D14(EVENT_INTR1/TCLKIN/CLKOUT2/TIME)
CRS: R139.2 U14.14(CRS)
DDR_A0: U5.F3(DDR_A0) U12.N3(A0)
DDR_A1: U5.H1(DDR_A1) U12.P7(A1)
DDR_A2: U5.E4(DDR_A2) U12.P3(A2)
DDR_A3: U5.C3(DDR_A3) U12.N2(A3)
DDR_A4: U5.C2(DDR_A4) U12.P8(A4)
DDR_A5: U5.B1(DDR_A5) U12.P2(A5)
DDR_A6: U5.D5(DDR_A6) U12.R8(A6)
DDR_A7: U5.E2(DDR_A7) U12.R2(A7)
DDR_A8: U5.D4(DDR_A8) U12.T8(A8)
DDR_A9: U5.C1(DDR_A9) U12.R3(A9)
DDR_A10: U5.F4(DDR_A10) U12.L7(A10)
DDR_A11: U5.F2(DDR_A11) U12.R7(A11)
DDR_A12: U5.E3(DDR_A12) U12.N7(A12)
DDR_A13: U5.H3(DDR_A13) U12.T3(A13)
DDR_A14: U5.H4(DDR_A14) U12.T7(A14)
DDR_A15: U5.D3(DDR_A15) U12.M7(A15)
DDR_BA0: U5.C4(DDR_BA0) U12.M2(BA0)
DDR_BA1: U5.E1(DDR_BA1) U12.N8(BA1)
DDR_BA2: U5.B3(DDR_BA2) U12.M3(BA2)
DDR_CASN: U5.F1(DDR_CASN) U12.K3(CASN)
DDR_CKE: R96.2 U5.G3(DDR_CKE) U12.K9(CKE)
DDR_CLK: U5.D2(DDR_CK) U12.J7(CK)
DDR_CLKN: U5.D1(DDR_NCK) U12.K7(CKN)
DDR_CSN: U5.H2(DDR_CSN0) U12.L2(CSN)
DDR_D0: U5.M3(DDR_D0) U12.E3(DQ0)
DDR_D1: U5.M4(DDR_D1) U12.F7(DQ1)
DDR_D2: U5.N1(DDR_D2) U12.F2(DQ2)
DDR_D3: U5.N2(DDR_D3) U12.F8(DQ3)
DDR_D4: U5.N3(DDR_D4) U12.H3(DQ4)
DDR_D5: U5.N4(DDR_D5) U12.H8(DQ5)
DDR_D6: U5.P3(DDR_D6) U12.G2(DQ6)
DDR_D7: U5.P4(DDR_D7) U12.H7(DQ7)
DDR_D8: U5.J1(DDR_D8) U12.D7(DQ8)
DDR_D9: U5.K1(DDR_D9) U12.C3(DQ9)
DDR_D10: U5.K2(DDR_D10) U12.C8(DQ10)
DDR_D11: U5.K3(DDR_D11) U12.C2(DQ11)
DDR_D12: U5.K4(DDR_D12) U12.A7(DQ12)
DDR_D13: U5.L3(DDR_D13) U12.A2(DQ13)
DDR_D14: U5.L4(DDR_D14) U12.B8(DQ14)
DDR_D15: U5.M1(DDR_D15) U12.A3(DQ15)
DDR_DQM0: U5.M2(DDR_DQM0) U12.E7(LDM)
DDR_DQM1: U5.J2(DDR_DQM1) U12.D3(UDM)
DDR_DQS0: U5.P1(DDR_DQS0) U12.F3(LDQS)
DDR_DQS1: U5.L1(DDR_DQS1) U12.C7(UDQS)
DDR_DQSN0: U5.P2(DDR_DQSN0) U12.G3(LDQSN)
DDR_DQSN1: U5.L2(DDR_DQSN1) U12.B7(UDQSN)
DDR_ODT: U5.G1(DDR_ODT) U12.K1(ODT)
DDR_RASN: U5.G4(DDR_RASN) U12.J3(RASN)
DDR_RESETN: R97.2 U5.G2(DDR_RESETN) U12.T2(RESET#)
DDR_VREF: C28.1 C123.1 C124.1 R98.2 R100.1 U5.J4(VREFSSTL) U12.H1(VREF_DQ) U12.M8(VREF_CA)
DDR_VTP: R22.2 U5.J3(DDR_VTP)
DDR_WEN: U5.B2(DDR_WEN) U12.L3(WEN)
EHRPWM1A: P9.14(32) U5.U14(GPMC_A2/GMII2_TXD3/RGMII2_TD3/M)
EHRPWM1B: P9.16(33) U5.T14(GPMC_A3/GMII2_TXD2/RGMII2_TD2/M)
EHRPWM2A: P8.19(10) U5.U10(GPMC_AD8/LCD_DATA23/MMC1_DAT0/M)
EHRPWM2B: P8.13(7) U5.T10(GPMC_AD9/LCD_DATA22/MMC1_DAT1/M)
EMMC_RSTN: R111.2 R162.2 U13.K5(R\S\T\)
EMMC_VCCI: C125.1 U13.C2(VCCI)
ENZ_KALDO_1P8V: R54.2 U5.B4(ENZ_KALDO_1P8V)
ETH_TXD4: R145.1 U14.18(NINT/TXER/TXD4)
GPIO0_7: P9.42(46) R50.1 R51.1
GPIO0_7SRC: R50.2 U5.C18(ECAP0_IN_PWM0_OUT/UART3_TXD/SPI)
GPIO0_26: P8.14(32) U5.T11(GPMC_AD10/LCD_DATA21/MMC1_DAT2/)
GPIO0_27: P8.17(9) U5.U12(GPMC_AD11/LCD_DATA20/MMC1_DAT3/)
GPIO1_12: P8.12(31) U5.T12(GPMC_AD12/LCD_DATA19/MMC1_DAT4/)
GPIO1_13: P8.11(6) U5.R12(GPMC_AD13/LCD_DATA18/MMC1_DAT5/)
GPIO1_14: P8.16(33) U5.V13(GPMC_AD14/LCD_DATA17/MMC1_DAT6/)
GPIO1_15: P8.15(8) U5.U13(GPMC_AD15/LCD_DATA16/MMC1_DAT7/)
GPIO1_16: P9.15(8) R160.2 R161.2
GPIO1_17: P9.23(12) U5.V14(GPMC_A1/GMII2_RXDV/RGMII2_RCTL/)
GPIO1_28: P9.12(31) U5.U18(GPMC_BE1N/GMII2_COL/GPMC_CSN6/M)
GPIO1_29: P8.26(38) U5.V6(GPMC_CSN0/GPIO1_29)
GPIO2_1: P8.18(34) U5.V12(GPMC_CLK/LCD_MEM_CLK/GPMC_WAIT1)
GPIO3_18: R51.2 U5.B12(MCASP0_ACLKR/EQEP0A_IN/MCASP0_A)
GPIO3_19: P9.27(14) U5.C13(MCASP0_FSR/EQEP0B_IN/MCASP0_AXR)
GPIO3_20: R20.2 U5.D13(MCASP0_AXR1/EQEP0_INDEX//MCASP1)
GPIO3_21: P9.25(13) R167.2 U5.A14(MCASP0_AHCLKX/EQEP0_STROBE/MCAS)
GRN_C: P5.10(GRNC) R132.2
GRNA: C163.1 C165.1 P5.9(GRNA) U14.3(LED1/REGOFF)
HDMI_INT: R169.1 R170.1 U5.U16(GPMC_A9/GMII2_RXD2/RGMII2_RD2/M)
HDMICLK_DISN: U5.V17(GPMC_A11/GMII2_RXD0/RGMII2_RD0/) Y4.1(OE)
I2C0_SCL: R3.2 U2.28(SCL) U5.C16(I2C0_SCL/TIMER7/UART2_RTSN/ECAP) U7.1(SCL)
I2C0_SDA: R4.2 U2.27(SDA) U5.C17(I2C0_SDA/TIMER4/UART2_CTSN/ECAP) U7.3(SDA)
I2C1_SCL: P9.17(9) U5.A16(SPI0_CS0/MMC2_SDWP/I2C1_SCL/EHR)
I2C1_SDA: P9.18(34) U5.B16(SPI0_D1/MMC1_SDWP/I2C1_SDA/EHRP)
I2C2_SCL: J4.1 P9.19(10) U5.D17(UART1_RTSN/TIMER5/DCAN0_RX/I2C2)
I2C2_SDA: J4.2 P9.20(35) U5.D18(UART1_CTSN/TIMER6/DCAN0_TX/I2C2)
JTAG_EMU0: P2.13(EMU0) R23.2 U5.C14(EMU0/GPIO3_7)
JTAG_EMU1: P2.14(EMU1) R24.2 U5.B14(EMU1/GPIO3_8)
JTAG_TCK: P2.9(TCKRTN) P2.11(TCK) U5.A12(TCK)
JTAG_TDI: P2.3(TDI) U5.B11(TDI)
JTAG_TDO: P2.7(TDO) U5.A11(TDO)
JTAG_TMS: P2.1(TMS) U5.C11(TMS)
JTAG_TRSTN: P2.2(TRSTN) R25.1 U5.B10(NTRST)
LCD_DATA0: P8.45(23) R70.2 R95.1 U5.R1(LCD_DATA0/GPMC_A0//EHRPWM2A//PR)
LCD_DATA1: P8.46(48) R69.2 R94.1 U5.R2(LCD_DATA1/GPMC_A1//EHRPWM2B//PR)
LCD_DATA2: P8.43(22) R68.2 R75.1 R93.1 U5.R3(LCD_DATA2/GPMC_A2//EHRPWM2_TRIP)
LCD_DATA3: P8.44(47) R67.2 R92.1 U5.R4(LCD_DATA3/GPMC_A3//EHRPWM2_SYNC)
LCD_DATA4: P8.41(21) R66.2 R91.1 U5.T1(LCD_DATA4/GPMC_A4//EQEP2A_IN//P)
LCD_DATA5: P8.42(46) R65.2 R90.1 U5.T2(LCD_DATA5/GPMC_A5//EQEP2B_IN//P)
LCD_DATA6: P8.39(20) R64.2 R89.1 U5.T3(LCD_DATA6/GPMC_A6/PR1_EDIO_DATA)
LCD_DATA7: P8.40(45) R63.2 R88.1 U5.T4(LCD_DATA7/GPMC_A7/PR1_EDIO_DATA)
LCD_DATA8: P8.37(19) R62.2 R87.1 U5.U1(LCD_DATA8/GPMC_A12/EHRPWM1_TRIP)
LCD_DATA9: P8.38(44) R61.2 R86.1 U5.U2(LCD_DATA9/GPMC_A13/EHRPWM1_SYNC)
LCD_DATA10: P8.36(43) R60.2 R85.1 U5.U3(LCD_DATA10/GPMC_A14/EHRPWM1A/MC)
LCD_DATA11: P8.34(42) R59.2 R84.1 U5.U4(LCD_DATA11/GPMC_A15/EHRPWM1B/MC)
LCD_DATA12: P8.35(18) R58.2 R83.1 U5.V2(LCD_DATA12/GPMC_A16/EQEP1A_IN/M)
LCD_DATA13: P8.33(17) R57.2 R82.1 U5.V3(LCD_DATA13/GPMC_A17/EQEP1B_IN/M)
LCD_DATA14: P8.31(16) R56.2 R81.1 U5.V4(LCD_DATA14/GPMC_A18/EQEP1_INDEX)
LCD_DATA15: P8.32(41) R55.2 R80.1 U5.T5(LCD_DATA15/GPMC_A19/EQEP1_STROB)
LCD_DE: P8.30(40) R48.2
LCD_HSYNC: P8.29(15) R47.2
LCD_PCLK: P8.28(39) R45.2
LCD_VSYNC: P8.27(14) R46.2
LCDDE: R48.1 U5.R6(LCD_AC_BIAS_EN/GPMC_A11//PR1_ED)
LCDPCLK: R45.1 U5.V5(LCD_PCLK/GPMC_A10//PR1_EDIO_DAT)
LCDVHYNC: R47.1 U5.R5(LCD_HSYNC/GPMC_A9//PR1_EDIO_DAT)
LCDVSYNC: R46.1 U5.U5(LCD_VSYNC/GPMC_A8//PR1_EDIO_DAT)
LDO_PGOOD: U2.46(LDO_PGOOD) U5.B5(RTC_PORZN)
LEDAA: D2.2(A) R72.2
LEDAC: D2.1(C) Q1.6(3)
LEDBA: D3.2(A) R73.2
LEDBC: D3.1(C) Q1.3
LEDCA: D4.2(A) R74.2
LEDCC: D4.1(C) Q2.6(3)
LEDDA: D5.2(A) R71.2
LEDDC: D5.1(C) Q2.3
MDIO_CLK: U5.M18(MDIO_CLK/TIMER5/UART5_TXD/UART3) U14.17(MDC)
MDIO_DATA: R119.2 U5.M17(MDIO_DATA/TIMER6/UART5_RXD/UART) U14.16(MDIO)
MII1_COL: R138.1 U5.H16(GMII1_COL/RMII2_REFCLK/SPI1_SCL)
MII1_CRS_DV: R139.1 U5.H17(GMII1_CRS/RMII1_CRS_DV/SPI1_D0/)
MII1_REFCLK: R28.2 R124.1 R140.1
MII1_RXCLK: R131.1 U5.L18(GMII1_RXCLK/UART2_TXD/RGMII1_RC)
MII1_RXD0: R128.1 U5.M16(GMII1_RXD0/RMII1_RXD0/RGMII1_RD)
MII1_RXD1: R127.1 U5.L15(GMII1_RXD1/RMII1_RXD1/RGMII1_RD)
MII1_RXD2: R126.1 U5.L16(GMII1_RXD2/UART3_TXD/RGMII1_RD2)
MII1_RXD3: R125.1 U5.L17(GMII1_RXD3/UART3_RXD/RGMII1_RD3)
MII1_RXDV: R129.1 U5.J17(GMII1_RXDV/LCD_MEMORY_CLK/RGMII)
MII1_RXERR: R133.1 U5.J15(GMII1_RXERR/RMII1_RXERR/SPI1_D1)
MII1_TXCLK: R134.1 U5.K18(GMII1_TXCLK/UART2_RXD/RGMII1_TC)
MII1_TXD0: U5.K17(GMII1_TXD0/RMII1_TXD0/RGMII1_TD) U14.22(TXD0)
MII1_TXD1: U5.K16(GMII1_TXD1/RMII1_TXD1/RGMII1_TD) U14.23(TXD1)
MII1_TXD2: U5.K15(GMII1_TXD2/DCAN0_RX/RGMII1_TD2/) U14.24(TXD2)
MII1_TXD3: U5.J18(GMII1_TXD3/DCAN0_TX/RGMII1_TD3/) U14.25(TXD3)
MII1_TXEN: U5.J16(GMII1_TXEN/RMII1_TXEN/RGMII1_TC) U14.21(TXEN)
MMC0_CD: P2.19(EMU4) P10.10(CD) R157.1 U5.C15(SPI0_CS1/UART3_RXD/ECAP1_IN_PWM)
MMC0_CLKO: P10.5(CLOCK) R152.2 U5.G17(MMC0_CLK/GPMC_A24/UART3_CTSN/UA)
MMC0_CMD: P10.3(CMD) R151.2 U5.G18(MMC0_CMD/GPMC_A25/UART3_RTSN/UA)
MMC0_DAT0: P10.7(DAT0) R153.2 U5.G16(MMC0_DAT0/GPMC_A23/UART5_RTSN/U)
